# Allegro board 8880F5-0827_txbegin.brd (continued)
## Routing (per net, layer and track width the routed paths; a pad name or vN(x,y) marks a point on that pad's centre or on a via; arc(x,y) is an arc through that point) (continued)
 D302.A12 334.57,66.04 ; D302.A12 335.99,66.04 ; D302.A12 335.28,66.75 ; CSDPS425.C9 254.81,340.36 ; CSDPS425.C9 254,341.17 ; CSDPS425.C9 254,339.55 ; CSDPS425.C9 253.19,340.36 ; 311.61,335.28 D113.A15 ; D113.A15 313.23,335.28 ; D113.A15 312.42,334.47 ; D113.A15 312.42,336.09 ; 11.89,38.1 D128.B1 ; D128.B1 13.51,38.1 ; D128.B1 12.7,38.91 ; D128.B1 12.7,37.29 ; D104.A2 309.88,36.37 ; D104.A2 309.88,34.75 ; D104.A2 309.07,35.56 ; D104.A2 310.69,35.56 ; 252.63,182.35 SITE3.G16 ; SITE3.G16 252.63,183.31 ; SITE3.G16 253.11,182.83 ; SITE3.G16 252.15,182.83 ; 317.5,390.35 D116.B13 ; D116.B13 316.69,391.16 ; D116.B13 317.5,391.97 ; D116.B13 318.31,391.16 ; 329.39,368.3 D115.B8 ; D115.B8 331.01,368.3 ; D115.B8 330.2,367.49 ; D115.B8 330.2,369.11 ; 113.49,35.56 D132.A12 ; D132.A12 114.3,36.37 ; D132.A12 114.3,34.75 ; D132.A12 115.11,35.56 ; 397.97,332.74 D109.A10 ; D109.A10 399.59,332.74 ; D109.A10 398.78,331.93 ; D109.A10 398.78,333.55 ; D306.A14 414.02,66.75 ; D306.A14 413.31,66.04 ; D306.A14 414.73,66.04 ; D306.A14 414.02,65.33 ; 382.73,373.38 D111.A16 ; D111.A16 384.35,373.38 ; D111.A16 383.54,372.57 ; D111.A16 383.54,374.19 ; DPS1.A01 381.81,13.97 ; DPS1.A01 381,13.16 ; DPS1.A01 381,14.78 ; DPS1.A01 380.19,13.97 ; DPS8.C01 200.66,411.02 ; DPS8.C01 199.85,410.21 ; DPS8.C01 200.66,409.4 ; DPS8.C01 201.47,410.21 ; D322.B9 254.71,68.58 ; D322.B9 254,69.29 ; D322.B9 254,67.87 ; D322.B9 253.29,68.58 ; UNK2U1.4 482.59,229.49 ; UNK2U1.4 481.65,228.55 ; UNK2U1.4 482.59,227.61 ; UNK2U1.4 483.53,228.55 ; 172.72,60.15 D119.B6 ; D119.B6 171.91,60.96 ; D119.B6 173.53,60.96 ; D119.B6 172.72,61.77 ; 11.89,58.42 D127.B1 ; D127.B1 13.51,58.42 ; D127.B1 12.7,59.23 ; D127.B1 12.7,57.61 ; D119.B5 170.99,58.42 ; D119.B5 170.18,57.61 ; D119.B5 170.18,59.23 ; D119.B5 169.37,58.42 ; D321.A12 262.33,86.36 ; D321.A12 261.62,87.07 ; D321.A12 260.91,86.36 ; D321.A12 261.62,85.65 ; D109.A12 394.51,332.74 ; D109.A12 393.7,333.55 ; D109.A12 392.89,332.74 ; D109.A12 393.7,331.93 ; 248.21,83.82 D321.A7 ; D321.A7 248.92,84.53 ; D321.A7 248.92,83.11 ; D321.A7 249.63,83.82 ; CSDPS429.B6 188.77,342.9 ; CSDPS429.B6 187.15,342.9 ; CSDPS429.B6 187.96,342.09 ; CSDPS429.B6 187.96,343.71 ; D122.B3 238.76,79.55 ; D122.B3 237.95,78.74 ; D122.B3 239.57,78.74 ; D122.B3 238.76,77.93 ; 414.02,90.73 D305.B14 ; D305.B14 413.31,91.44 ; D305.B14 414.02,92.15 ; D305.B14 414.73,91.44 ; D120.A8 178.61,35.56 ; D120.A8 177.8,34.75 ; D120.A8 177.8,36.37 ; D120.A8 176.99,35.56 ; 418.29,327.66 D109.B2 ; D109.B2 419.1,326.85 ; D109.B2 419.91,327.66 ; D109.B2 419.1,328.47 ; D125.A11 38.1,94.79 ; D125.A11 38.1,93.17 ; D125.A11 37.29,93.98 ; D125.A11 38.91,93.98 ; 420.83,350.52 D110.B1 ; D110.B1 421.64,349.71 ; D110.B1 422.45,350.52 ; D110.B1 421.64,351.33 ; 190.5,72.85 D118.A13 ; D118.A13 189.69,73.66 ; D118.A13 191.31,73.66 ; D118.A13 190.5,74.47 ; D321.A8 252.17,86.36 ; D321.A8 251.46,85.65 ; D321.A8 250.75,86.36 ; D321.A8 251.46,87.07 ; 123.65,81.28 D130.B16 ; D130.B16 124.46,82.09 ; D130.B16 124.46,80.47 ; D130.B16 125.27,81.28 ; D321.B3 238.76,89.61 ; D321.B3 238.05,88.9 ; D321.B3 239.47,88.9 ; D321.B3 238.76,88.19 ; 98.25,81.28 D130.B6 ; D130.B6 99.06,80.47 ; D130.B6 99.87,81.28 ; D130.B6 99.06,82.09 ; 187.15,76.2 D118.A12 ; D118.A12 188.77,76.2 ; D118.A12 187.96,75.39 ; D118.A12 187.96,77.01 ; 403.05,373.38 D111.A8 ; D111.A8 404.67,373.38 ; D111.A8 403.86,374.19 ; D111.A8 403.86,372.57 ; 15.24,95.71 D125.A2 ; D125.A2 15.24,97.33 ; D125.A2 14.43,96.52 ; D125.A2 16.05,96.52 ; SITE2.G3 330.33,241.81 ; SITE2.G3 329.85,241.33 ; SITE2.G3 330.33,240.85 ; SITE2.G3 330.81,241.33 ; 161.75,35.56 D120.A2 ; D120.A2 162.56,34.75 ; D120.A2 163.37,35.56 ; D120.A2 162.56,36.37 ; D322.B7 248.92,69.29 ; D322.B7 248.21,68.58 ; D322.B7 249.63,68.58 ; D322.B7 248.92,67.87 ; 177.8,70.41 D318.B8 ; D318.B8 177.8,71.83 ; D318.B8 178.51,71.12 ; D318.B8 177.09,71.12 ; D107.B13 411.48,59.23 ; D107.B13 412.29,58.42 ; D107.B13 410.67,58.42 ; D107.B13 411.48,57.61 ; 14.43,60.96 D127.B2 ; D127.B2 15.24,60.15 ; D127.B2 16.05,60.96 ; D127.B2 15.24,61.77 ; 108.41,60.96 D131.B10 ; D131.B10 109.22,60.15 ; D131.B10 110.03,60.96 ; D131.B10 109.22,61.77 ; 261.62,342.09 CSDPS425.B6 ; CSDPS425.B6 262.43,342.9 ; CSDPS425.B6 260.81,342.9 ; CSDPS425.B6 261.62,343.71 ; 331.33,187.45 SITE4.G10 ; SITE4.G10 331.81,187.93 ; SITE4.G10 330.85,187.93 ; SITE4.G10 331.33,188.41 ; 413.21,368.3 D111.B4 ; D111.B4 414.02,369.11 ; D111.B4 414.83,368.3 ; D111.B4 414.02,367.49 ; DPS3.C05 244.65,19.05 ; DPS3.C05 243.84,19.86 ; DPS3.C05 243.03,19.05 ; DPS3.C05 243.84,18.24 ; D107.A7 397.05,53.34 ; D107.A7 396.24,54.15 ; D107.A7 395.43,53.34 ; D107.A7 396.24,52.53 ; D103.B5 317.5,59.23 ; D103.B5 318.31,58.42 ; D103.B5 317.5,57.61 ; D103.B5 316.69,58.42 ; D305.B15 416.56,89.61 ; D305.B15 417.27,88.9 ; D305.B15 415.85,88.9 ; D305.B15 416.56,88.19 ; D321.B14 266.7,92.15 ; D321.B14 265.99,91.44 ; D321.B14 266.7,90.73 ; D321.B14 267.41,91.44 ; 403.05,368.3 D111.B8 ; D111.B8 404.67,368.3 ; D111.B8 403.86,367.49 ; D111.B8 403.86,369.11 ; D119.B4 168.45,60.96 ; D119.B4 166.83,60.96 ; D119.B4 167.64,60.15 ; D119.B4 167.64,61.77 ; D115.A7 333.55,375.92 ; D115.A7 332.74,375.11 ; D115.A7 331.93,375.92 ; D115.A7 332.74,376.73 ; D102.A3 313.23,73.66 ; D102.A3 312.42,72.85 ; D102.A3 312.42,74.47 ; D102.A3 311.61,73.66 ; 171.91,76.2 D118.A6 ; D118.A6 172.72,77.01 ; D118.A6 172.72,75.39 ; D118.A6 173.53,76.2 ; D125.B5 22.86,99.87 ; D125.B5 22.05,99.06 ; D125.B5 22.86,98.25 ; D125.B5 23.67,99.06 ; 414.02,75.39 D106.A14 ; D106.A14 414.83,76.2 ; D106.A14 414.02,77.01 ; D106.A14 413.21,76.2 ; SITE2.G2 329.81,241.33 ; SITE2.G2 328.85,241.33 ; SITE2.G2 329.33,241.81 ; SITE2.G2 329.33,240.85 ; D110.B9 401.32,351.33 ; D110.B9 401.32,349.71 ; D110.B9 402.13,350.52 ; D110.B9 400.51,350.52 ; DPS3.A11 259.89,13.97 ; DPS3.A11 259.08,13.16 ; DPS3.A11 258.27,13.97 ; DPS3.A11 259.08,14.78 ; 85.55,78.74 D130.B1 ; D130.B1 86.36,77.93 ; D130.B1 87.17,78.74 ; D130.B1 86.36,79.55 ; 411.48,67.87 D306.B13 ; D306.B13 411.48,69.29 ; D306.B13 410.77,68.58 ; D306.B13 412.19,68.58 ; 330.2,392.89 D116.A8 ; D116.A8 330.2,394.51 ; D116.A8 331.01,393.7 ; D116.A8 329.39,393.7 ; D116.A12 320.85,393.7 ; D116.A12 320.04,392.89 ; D116.A12 320.04,394.51 ; D116.A12 319.23,393.7 ; 339.65,66.04 D302.A14 ; D302.A14 341.07,66.04 ; D302.A14 340.36,66.75 ; D302.A14 340.36,65.33 ; SITE3.G18 250.23,186.91 ; SITE3.G18 250.23,185.95 ; SITE3.G18 250.71,186.43 ; SITE3.G18 249.75,186.43 ; 251.33,247.45 SITE1.G10 ; SITE1.G10 251.81,247.93 ; SITE1.G10 251.33,248.41 ; SITE1.G10 250.85,247.93 ; 410.77,63.5 D306.A13 ; D306.A13 411.48,64.21 ; D306.A13 412.19,63.5 ; D306.A13 411.48,62.79 ; 420.83,396.24 D112.A1 ; D112.A1 421.64,395.43 ; D112.A1 421.64,397.05 ; D112.A1 422.45,396.24 ; D120.B16 198.12,41.45 ; D120.B16 198.12,39.83 ; D120.B16 197.31,40.64 ; D120.B16 198.93,40.64 ; D102.A8 325.12,77.01 ; D102.A8 324.31,76.2 ; D102.A8 325.93,76.2 ; D102.A8 325.12,75.39 ; D318.B3 165.1,69.29 ; D318.B3 165.81,68.58 ; D318.B3 165.1,67.87 ; D318.B3 164.39,68.58 ; 380.19,73.66 D106.A1 ; D106.A1 381,72.85 ; D106.A1 381,74.47 ; D106.A1 381.81,73.66 ; DPS3.A01 233.68,14.78 ; DPS3.A01 233.68,13.16 ; DPS3.A01 234.49,13.97 ; DPS3.A01 232.87,13.97 ; D103.A14 340.36,56.69 ; D103.A14 339.55,55.88 ; D103.A14 340.36,55.07 ; D103.A14 341.17,55.88 ; 160.02,380.19 D431.B17 ; D431.B17 159.21,381 ; D431.B17 160.83,381 ; D431.B17 160.02,381.81 ; 415.75,53.34 D107.A15 ; D107.A15 416.56,54.15 ; D107.A15 417.37,53.34 ; D107.A15 416.56,52.53 ; 324.31,368.3 D115.B10 ; D115.B10 325.12,367.49 ; D115.B10 325.12,369.11 ; D115.B10 325.93,368.3 ; 328.33,187.45 SITE4.G7 ; SITE4.G7 327.85,187.93 ; SITE4.G7 328.81,187.93 ; SITE4.G7 328.33,188.41 ; 110.95,73.66 D130.A11 ; D130.A11 111.76,74.47 ; D130.A11 112.57,73.66 ; D130.A11 111.76,72.85 ; D301.A2 309.88,87.07 ; D301.A2 309.88,85.65 ; D301.A2 309.17,86.36 ; D301.A2 310.59,86.36 ; D128.A12 40.64,36.37 ; D128.A12 40.64,34.75 ; D128.A12 39.83,35.56 ; D128.A12 41.45,35.56 ; CSDPS229.C3 196.39,330.2 ; CSDPS229.C3 195.58,329.39 ; CSDPS229.C3 195.58,331.01 ; CSDPS229.C3 194.77,330.2 ; D129.B7 101.6,99.87 ; D129.B7 100.79,99.06 ; D129.B7 102.41,99.06 ; D129.B7 101.6,98.25 ; 345.44,65.33 D302.A16 ; D302.A16 345.44,66.75 ; D302.A16 346.15,66.04 ; D302.A16 344.73,66.04 ; 311.61,355.6 D114.A15 ; D114.A15 312.42,356.41 ; D114.A15 313.23,355.6 ; D114.A15 312.42,354.79 ; 335.28,80.47 D102.B12 ; D102.B12 336.09,81.28 ; D102.B12 334.47,81.28 ; D102.B12 335.28,82.09 ; D306.B16 419.1,71.83 ; D306.B16 419.81,71.12 ; D306.B16 418.39,71.12 ; D306.B16 419.1,70.41 ; D127.B6 25.4,61.77 ; D127.B6 24.59,60.96 ; D127.B6 25.4,60.15 ; D127.B6 26.21,60.96 ; D104.A9 328.47,33.02 ; D104.A9 327.66,33.83 ; D104.A9 327.66,32.21 ; D104.A9 326.85,33.02 ; D305.B6 394.41,91.44 ; D305.B6 392.99,91.44 ; D305.B6 393.7,90.73 ; D305.B6 393.7,92.15 ; 311.61,78.74 D102.B3 ; D102.B3 312.42,79.55 ; D102.B3 312.42,77.93 ; D102.B3 313.23,78.74 ; 27.94,52.53 D127.A7 ; D127.A7 27.13,53.34 ; D127.A7 28.75,53.34 ; D127.A7 27.94,54.15 ; D128.A11 38.91,33.02 ; D128.A11 37.29,33.02 ; D128.A11 38.1,32.21 ; D128.A11 38.1,33.83 ; D302.A6 320.75,66.04 ; D302.A6 319.33,66.04 ; D302.A6 320.04,66.75 ; D302.A6 320.04,65.33 ; D306.A4 388.62,66.75 ; D306.A4 389.33,66.04 ; D306.A4 388.62,65.33 ; D306.A4 387.91,66.04 ; D129.B2 88.9,102.41 ; D129.B2 89.71,101.6 ; D129.B2 88.9,100.79 ; D129.B2 88.09,101.6 ; 39.83,81.28 D126.B12 ; D126.B12 40.64,80.47 ; D126.B12 41.45,81.28 ; D126.B12 40.64,82.09 ; 406.4,395.43 D112.A7 ; D112.A7 406.4,397.05 ; D112.A7 405.59,396.24 ; D112.A7 407.21,396.24 ; 401.32,354.79 D110.A9 ; D110.A9 401.32,356.41 ; D110.A9 402.13,355.6 ; D110.A9 400.51,355.6 ; D130.A16 124.46,77.01 ; D130.A16 123.65,76.2 ; D130.A16 124.46,75.39 ; D130.A16 125.27,76.2 ; 172.01,91.44 D317.B6 ; D317.B6 173.43,91.44 ; D317.B6 172.72,92.15 ; D317.B6 172.72,90.73 ; 398.78,352.25 D110.A10 ; D110.A10 399.59,353.06 ; D110.A10 398.78,353.87 ; D110.A10 397.97,353.06 ; D317.B12 188.67,91.44 ; D317.B12 187.96,90.73 ; D317.B12 187.96,92.15 ; D317.B12 187.25,91.44 ; D108.B1 381,38.91 ; D108.B1 381.81,38.1 ; D108.B1 380.19,38.1 ; D108.B1 381,37.29 ; 413.31,71.12 D306.B14 ; D306.B14 414.02,70.41 ; D306.B14 414.02,71.83 ; D306.B14 414.73,71.12 ; 252.33,240.85 SITE1.G5 ; SITE1.G5 251.85,241.33 ; SITE1.G5 252.33,241.81 ; SITE1.G5 252.81,241.33 ; D321.B9 254,89.61 ; D321.B9 253.29,88.9 ; D321.B9 254,88.19 ; D321.B9 254.71,88.9 ; 314.96,60.15 D103.B4 ; D103.B4 314.15,60.96 ; D103.B4 315.77,60.96 ; D103.B4 314.96,61.77 ; 124.46,34.75 D132.A16 ; D132.A16 124.46,36.37 ; D132.A16 125.27,35.56 ; D132.A16 123.65,35.56 ; D317.A13 190.5,84.53 ; D317.A13 190.5,83.11 ; D317.A13 189.79,83.82 ; D317.A13 191.21,83.82 ; 410.67,355.6 D110.A5 ; D110.A5 411.48,354.79 ; D110.A5 411.48,356.41 ; D110.A5 412.29,355.6 ; 165.1,370.03 D231.B15 ; D231.B15 165.91,370.84 ; D231.B15 164.29,370.84 ; D231.B15 165.1,371.65 ; 382.83,91.44 D305.B2 ; D305.B2 383.54,92.15 ; D305.B2 383.54,90.73 ; D305.B2 384.25,91.44 ; 342.09,78.74 D102.B15 ; D102.B15 342.9,79.55 ; D102.B15 343.71,78.74 ; D102.B15 342.9,77.93 ; 380.19,53.34 D107.A1 ; D107.A1 381.81,53.34 ; D107.A1 381,54.15 ; D107.A1 381,52.53 ; D322.A12 262.33,66.04 ; D322.A12 260.91,66.04 ; D322.A12 261.62,65.33 ; D322.A12 261.62,66.75 ; 40.64,39.83 D128.B12 ; D128.B12 40.64,41.45 ; D128.B12 41.45,40.64 ; D128.B12 39.83,40.64 ; D102.A13 337.82,74.47 ; D102.A13 337.01,73.66 ; D102.A13 338.63,73.66 ; D102.A13 337.82,72.85 ; CSDPS429.C11 176.07,340.36 ; CSDPS429.C11 175.26,339.55 ; CSDPS429.C11 174.45,340.36 ; CSDPS429.C11 175.26,341.17 ; D322.A3 238.76,64.21 ; D322.A3 239.47,63.5 ; D322.A3 238.05,63.5 ; D322.A3 238.76,62.79 ; D110.A15 386.89,355.6 ; D110.A15 386.08,354.79 ; D110.A15 385.27,355.6 ; D110.A15 386.08,356.41 ; D106.A5 391.16,74.47 ; D106.A5 391.16,72.85 ; D106.A5 391.97,73.66 ; D106.A5 390.35,73.66 ; 337.01,38.1 D104.B13 ; D104.B13 337.82,38.91 ; D104.B13 338.63,38.1 ; D104.B13 337.82,37.29 ; D109.B16 383.54,328.47 ; D109.B16 384.35,327.66 ; D109.B16 382.73,327.66 ; D109.B16 383.54,326.85 ; 179.53,370.84 D231.B9 ; D231.B9 180.34,371.65 ; D231.B9 180.34,370.03 ; D231.B9 181.15,370.84 ; 246.38,60.15 D123.B6 ; D123.B6 246.38,61.77 ; D123.B6 245.57,60.96 ; D123.B6 247.19,60.96 ; D322.A16 272.49,66.04 ; D322.A16 271.07,66.04 ; D322.A16 271.78,66.75 ; D322.A16 271.78,65.33 ; 269.24,62.79 D322.A15 ; D322.A15 269.95,63.5 ; D322.A15 268.53,63.5 ; D322.A15 269.24,64.21 ; D132.B10 109.22,41.45 ; D132.B10 108.41,40.64 ; D132.B10 110.03,40.64 ; D132.B10 109.22,39.83 ; D125.A16 51.61,96.52 ; D125.A16 49.99,96.52 ; D125.A16 50.8,95.71 ; D125.A16 50.8,97.33 ; 416.56,375.11 D111.A3 ; D111.A3 416.56,376.73 ; D111.A3 417.37,375.92 ; D111.A3 415.75,375.92 ; SITE2.G8 329.81,247.93 ; SITE2.G8 329.33,248.41 ; SITE2.G8 328.85,247.93 ; SITE2.G8 329.33,247.45 ; D302.A2 310.59,66.04 ; D302.A2 309.88,65.33 ; D302.A2 309.17,66.04 ; D302.A2 309.88,66.75 ; D106.A16 419.91,76.2 ; D106.A16 419.1,75.39 ; D106.A16 418.29,76.2 ; D106.A16 419.1,77.01 ; 233.68,62.79 D322.A1 ; D322.A1 234.39,63.5 ; D322.A1 233.68,64.21 ; D322.A1 232.97,63.5 ; 330.23,242.35 SITE2.G14 ; SITE2.G14 330.23,243.31 ; SITE2.G14 330.71,242.83 ; SITE2.G14 329.75,242.83 ; 121.11,78.74 D130.B15 ; D130.B15 122.73,78.74 ; D130.B15 121.92,79.55 ; D130.B15 121.92,77.93 ; D131.A4 94.79,55.88 ; D131.A4 93.98,56.69 ; D131.A4 93.98,55.07 ; D131.A4 93.17,55.88 ; D321.A2 236.93,86.36 ; D321.A2 236.22,85.65 ; D321.A2 236.22,87.07 ; D321.A2 235.51,86.36 ; 380.19,58.42 D107.B1 ; D107.B1 381,57.61 ; D107.B1 381.81,58.42 ; D107.B1 381,59.23 ; 187.25,71.12 D318.B12 ; D318.B12 187.96,70.41 ; D318.B12 187.96,71.83 ; D318.B12 188.67,71.12 ; 241.3,60.15 D123.B4 ; D123.B4 241.3,61.77 ; D123.B4 242.11,60.96 ; D123.B4 240.49,60.96 ; D112.B14 388.62,389.43 ; D112.B14 387.81,388.62 ; D112.B14 389.43,388.62 ; D112.B14 388.62,387.81 ; 14.43,35.56 D128.A2 ; D128.A2 15.24,34.75 ; D128.A2 15.24,36.37 ; D128.A2 16.05,35.56 ; SITE4.G9 330.81,187.93 ; SITE4.G9 329.85,187.93 ; SITE4.G9 330.33,187.45 ; SITE4.G9 330.33,188.41 ; 116.03,93.98 D129.A13 ; D129.A13 117.65,93.98 ; D129.A13 116.84,93.17 ; D129.A13 116.84,94.79 ; D123.B1 234.49,58.42 ; D123.B1 233.68,57.61 ; D123.B1 233.68,59.23 ; D123.B1 232.87,58.42 ; D114.A14 315.77,353.06 ; D114.A14 314.96,353.87 ; D114.A14 314.15,353.06 ; D114.A14 314.96,352.25 ; D124.A3 238.76,33.83 ; D124.A3 237.95,33.02 ; D124.A3 238.76,32.21 ; D124.A3 239.57,33.02 ; 190.5,57.61 D119.B13 ; D119.B13 191.31,58.42 ; D119.B13 189.69,58.42 ; D119.B13 190.5,59.23 ; DPS3.C11 259.89,19.05 ; DPS3.C11 259.08,19.86 ; DPS3.C11 258.27,19.05 ; DPS3.C11 259.08,18.24 ; D128.A4 21.13,35.56 ; D128.A4 20.32,34.75 ; D128.A4 19.51,35.56 ; D128.A4 20.32,36.37 ; D116.B10 325.12,389.43 ; D116.B10 325.12,387.81 ; D116.B10 324.31,388.62 ; D116.B10 325.93,388.62 ; 504.01,203.45 S2_I2C.4 ; S2_I2C.4 504.95,204.39 ; S2_I2C.4 505.89,203.45 ; S2_I2C.4 504.95,202.51 ; 170.18,72.85 D118.A5 ; D118.A5 170.99,73.66 ; D118.A5 170.18,74.47 ; D118.A5 169.37,73.66 ; D301.A14 340.36,87.07 ; D301.A14 339.65,86.36 ; D301.A14 340.36,85.65 ; D301.A14 341.07,86.36 ; 43.18,52.53 D127.A13 ; D127.A13 43.99,53.34 ; D127.A13 43.18,54.15 ; D127.A13 42.37,53.34 ; 388.62,90.73 D305.B4 ; D305.B4 389.33,91.44 ; D305.B4 387.91,91.44 ; D305.B4 388.62,92.15 ; 114.3,95.71 D129.A12 ; D129.A12 113.49,96.52 ; D129.A12 114.3,97.33 ; D129.A12 115.11,96.52 ; D109.B3 416.56,331.01 ; D109.B3 415.75,330.2 ; D109.B3 417.37,330.2 ; D109.B3 416.56,329.39 ; D322.B13 264.87,68.58 ; D322.B13 263.45,68.58 ; D322.B13 264.16,69.29 ; D322.B13 264.16,67.87 ; 30.48,95.71 D125.A8 ; D125.A8 30.48,97.33 ; D125.A8 29.67,96.52 ; D125.A8 31.29,96.52 ; 248.85,181.33 SITE3.G2 ; SITE3.G2 249.81,181.33 ; SITE3.G2 249.33,181.81 ; SITE3.G2 249.33,180.85 ; D104.B9 328.47,38.1 ; D104.B9 326.85,38.1 ; D104.B9 327.66,38.91 ; D104.B9 327.66,37.29 ; D116.A5 337.82,397.05 ; D116.A5 337.01,396.24 ; D116.A5 337.82,395.43 ; D116.A5 338.63,396.24 ; D127.A1 13.51,53.34 ; D127.A1 12.7,52.53 ; D127.A1 11.89,53.34 ; D127.A1 12.7,54.15 ; D112.A8 403.86,394.51 ; D112.A8 404.67,393.7 ; D112.A8 403.86,392.89 ; D112.A8 403.05,393.7 ; 330.2,347.17 D114.B8 ; D114.B8 331.01,347.98 ; D114.B8 329.39,347.98 ; D114.B8 330.2,348.79 ; D106.B1 381.81,78.74 ; D106.B1 380.19,78.74 ; D106.B1 381,79.55 ; D106.B1 381,77.93 ; D112.B6 408.94,389.43 ; D112.B6 408.94,387.81 ; D112.B6 408.13,388.62 ; D112.B6 409.75,388.62 ; D132.A14 119.38,36.37 ; D132.A14 118.57,35.56 ; D132.A14 119.38,34.75 ; D132.A14 120.19,35.56 ; 329.39,60.96 D103.B10 ; D103.B10 330.2,60.15 ; D103.B10 330.2,61.77 ; D103.B10 331.01,60.96 ; D318.B2 163.27,71.12 ; D318.B2 161.85,71.12 ; D318.B2 162.56,71.83 ; D318.B2 162.56,70.41 ; D124.B10 256.54,41.45 ; D124.B10 255.73,40.64 ; D124.B10 257.35,40.64 ; D124.B10 256.54,39.83 ; 88.09,96.52 D129.A2 ; D129.A2 88.9,95.71 ; D129.A2 88.9,97.33 ; D129.A2 89.71,96.52 ; 387.81,393.7 D112.A14 ; D112.A14 388.62,392.89 ; D112.A14 389.43,393.7 ; D112.A14 388.62,394.51 ; D116.A11 322.58,397.05 ; D116.A11 321.77,396.24 ; D116.A11 322.58,395.43 ; D116.A11 323.39,396.24 ; D120.B3 165.1,38.91 ; D120.B3 165.1,37.29 ; D120.B3 164.29,38.1 ; D120.B3 165.91,38.1 ; D302.B4 315.67,71.12 ; D302.B4 314.96,71.83 ; D302.B4 314.25,71.12 ; D302.B4 314.96,70.41 ; CSDPS229.B12 172.72,333.55 ; CSDPS229.B12 171.91,332.74 ; CSDPS229.B12 173.53,332.74 ; CSDPS229.B12 172.72,331.93 ; D131.B5 96.52,59.23 ; D131.B5 95.71,58.42 ; D131.B5 96.52,57.61 ; D131.B5 97.33,58.42 ; 327.66,57.61 D103.B9 ; D103.B9 326.85,58.42 ; D103.B9 328.47,58.42 ; D103.B9 327.66,59.23 ; 401.32,370.03 D111.B9 ; D111.B9 401.32,371.65 ; D111.B9 402.13,370.84 ; D111.B9 400.51,370.84 ; D318.B9 180.34,69.29 ; D318.B9 180.34,67.87 ; D318.B9 181.05,68.58 ; D318.B9 179.63,68.58 ; D317.B16 198.83,91.44 ; D317.B16 198.12,92.15 ; D317.B16 197.41,91.44 ; D317.B16 198.12,90.73 ; D317.B7 175.97,88.9 ; D317.B7 174.55,88.9 ; D317.B7 175.26,88.19 ; D317.B7 175.26,89.61 ; D120.A1 160.83,33.02 ; D120.A1 160.02,32.21 ; D120.A1 160.02,33.83 ; D120.A1 159.21,33.02 ; CSDPS225.C3 270.05,330.2 ; CSDPS225.C3 269.24,331.01 ; CSDPS225.C3 269.24,329.39 ; CSDPS225.C3 268.43,330.2 ; 391.16,395.43 D112.A13 ; D112.A13 391.97,396.24 ; D112.A13 391.16,397.05 ; D112.A13 390.35,396.24 ; D110.B12 394.51,347.98 ; D110.B12 393.7,348.79 ; D110.B12 392.89,347.98 ; D110.B12 393.7,347.17 ; D126.B6 25.4,82.09 ; D126.B6 25.4,80.47 ; D126.B6 26.21,81.28 ; D126.B6 24.59,81.28 ; D108.A6 394.51,35.56 ; D108.A6 393.7,36.37 ; D108.A6 392.89,35.56 ; D108.A6 393.7,34.75 ; SITE3.G1 248.33,181.81 ; SITE3.G1 248.81,181.33 ; SITE3.G1 248.33,180.85 ; SITE3.G1 247.85,181.33 ; 329.39,40.64 D104.B10 ; D104.B10 330.2,41.45 ; D104.B10 330.2,39.83 ; D104.B10 331.01,40.64 ; 273.51,340.36 CSDPS425.C1 ; CSDPS425.C1 275.13,340.36 ; CSDPS425.C1 274.32,341.17 ; CSDPS425.C1 274.32,339.55 ; 309.88,39.83 D104.B2 ; D104.B2 309.88,41.45 ; D104.B2 309.07,40.64 ; D104.B2 310.69,40.64 ; 104.14,34.75 D132.A8 ; D132.A8 104.14,36.37 ; D132.A8 104.95,35.56 ; D132.A8 103.33,35.56 ; D120.A10 183.69,35.56 ; D120.A10 182.88,36.37 ; D120.A10 182.07,35.56 ; D120.A10 182.88,34.75 ; 347.98,370.03 D115.B1 ; D115.B1 347.98,371.65 ; D115.B1 348.79,370.84 ; D115.B1 347.17,370.84 ; 321.77,73.66 D102.A7 ; D102.A7 323.39,73.66 ; D102.A7 322.58,72.85 ; D102.A7 322.58,74.47 ; 164.29,73.66 D118.A3 ; D118.A3 165.91,73.66 ; D118.A3 165.1,72.85 ; D118.A3 165.1,74.47 ; 337.01,78.74 D102.B13 ; D102.B13 338.63,78.74 ; D102.B13 337.82,79.55 ; D102.B13 337.82,77.93 ; D132.B6 99.87,40.64 ; D132.B6 99.06,41.45 ; D132.B6 99.06,39.83 ; D132.B6 98.25,40.64 ; 419.1,34.75 D108.A16 ; D108.A16 419.1,36.37 ; D108.A16 419.91,35.56 ; D108.A16 418.29,35.56 ; D114.A4 340.36,353.87 ; D114.A4 339.55,353.06 ; D114.A4 341.17,353.06 ; D114.A4 340.36,352.25 ; 314.25,86.36 D301.A4 ; D301.A4 314.96,85.65 ; D301.A4 314.96,87.07 ; D301.A4 315.67,86.36 ; 254,57.61 D123.B9 ; D123.B9 253.19,58.42 ; D123.B9 254,59.23 ; D123.B9 254.81,58.42 ; 169.37,370.84 D231.B13 ; D231.B13 170.18,371.65 ; D231.B13 170.99,370.84 ; D231.B13 170.18,370.03 ; D113.A13 317.5,336.09 ; D113.A13 318.31,335.28 ; D113.A13 317.5,334.47 ; D113.A13 316.69,335.28 ; D127.B4 20.32,61.77 ; D127.B4 20.32,60.15 ; D127.B4 21.13,60.96 ; D127.B4 19.51,60.96 ; 241.3,85.65 D321.A4 ; D321.A4 242.01,86.36 ; D321.A4 240.59,86.36 ; D321.A4 241.3,87.07 ; 238.05,68.58 D322.B3 ; D322.B3 238.76,69.29 ; D322.B3 239.47,68.58 ; D322.B3 238.76,67.87 ; SITE3.G8 249.33,188.41 ; SITE3.G8 248.85,187.93 ; SITE3.G8 249.81,187.93 ; SITE3.G8 249.33,187.45 ; 390.35,355.6 D110.A13 ; D110.A13 391.16,354.79 ; D110.A13 391.97,355.6 ; D110.A13 391.16,356.41 ; 83.31,208.1 S3_I2C.4 ; S3_I2C.4 83.31,209.98 ; S3_I2C.4 84.25,209.04 ; S3_I2C.4 82.37,209.04 ; D317.A10 183.59,86.36 ; D317.A10 182.17,86.36 ; D317.A10 182.88,87.07 ; D317.A10 182.88,85.65 ; 167.64,85.65 D317.A4 ; D317.A4 168.35,86.36 ; D317.A4 167.64,87.07 ; D317.A4 166.93,86.36 ; D124.B9 254,38.91 ; D124.B9 254.81,38.1 ; D124.B9 254,37.29 ; D124.B9 253.19,38.1 ; 93.98,95.71 D129.A4 ; D129.A4 93.17,96.52 ; D129.A4 93.98,97.33 ; D129.A4 94.79,96.52 ; CSDPS229.C1 201.47,330.2 ; CSDPS229.C1 200.66,329.39 ; CSDPS229.C1 200.66,331.01 ; CSDPS229.C1 199.85,330.2 ; D129.A7 101.6,94.79 ; D129.A7 102.41,93.98 ; D129.A7 101.6,93.17 ; D129.A7 100.79,93.98 ; D122.A7 248.92,74.47 ; D122.A7 248.11,73.66 ; D122.A7 249.73,73.66 ; D122.A7 248.92,72.85 ; D119.A9 181.15,53.34 ; D119.A9 180.34,52.53 ; D119.A9 180.34,54.15 ; D119.A9 179.53,53.34 ; D306.B2 384.25,71.12 ; D306.B2 383.54,71.83 ; D306.B2 383.54,70.41 ; D306.B2 382.83,71.12 ; D317.A3 165.1,84.53 ; D317.A3 165.1,83.11 ; D317.A3 165.81,83.82 ; D317.A3 164.39,83.82 ; D305.A14 414.02,87.07 ; D305.A14 414.73,86.36 ; D305.A14 413.31,86.36 ; D305.A14 414.02,85.65 ; 116.84,32.21 D132.A13 ; D132.A13 116.03,33.02 ; D132.A13 116.84,33.83 ; D132.A13 117.65,33.02 ; 406.4,329.39 D109.B7 ; D109.B7 406.4,331.01 ; D109.B7 405.59,330.2 ; D109.B7 407.21,330.2 ; D104.B16 346.25,40.64 ; D104.B16 345.44,41.45 ; D104.B16 344.63,40.64 ; D104.B16 345.44,39.83 ; 174.45,58.42 D119.B7 ; D119.B7 176.07,58.42 ; D119.B7 175.26,59.23 ; D119.B7 175.26,57.61 ; CSDPS425.B14 242.11,342.9 ; CSDPS425.B14 241.3,342.09 ; CSDPS425.B14 240.49,342.9 ; CSDPS425.B14 241.3,343.71 ; 325.12,80.47 D102.B8 ; D102.B8 324.31,81.28 ; D102.B8 325.93,81.28 ; D102.B8 325.12,82.09 ; D116.A14 315.77,393.7 ; D116.A14 314.15,393.7 ; D116.A14 314.96,394.51 ; D116.A14 314.96,392.89 ; D116.A10 325.12,394.51 ; D116.A10 325.93,393.7 ; D116.A10 325.12,392.89 ; D116.A10 324.31,393.7 ; 331.93,355.6 D114.A7 ; D114.A7 333.55,355.6 ; D114.A7 332.74,354.79 ; D114.A7 332.74,356.41 ; D131.B8 104.14,61.77 ; D131.B8 104.95,60.96 ; D131.B8 104.14,60.15 ; D131.B8 103.33,60.96 ; 266.7,55.07 D123.A14 ; D123.A14 266.7,56.69 ; D123.A14 265.89,55.88 ; D123.A14 267.51,55.88 ; 339.55,40.64 D104.B14 ; D104.B14 340.36,41.45 ; D104.B14 341.17,40.64 ; D104.B14 340.36,39.83 ; 39.83,55.88 D127.A12 ; D127.A12 41.45,55.88 ; D127.A12 40.64,56.69 ; D127.A12 40.64,55.07 ; DPS8.C15 165.1,411.02 ; DPS8.C15 164.29,410.21 ; DPS8.C15 165.1,409.4 ; DPS8.C15 165.91,410.21 ; 246.38,80.47 D122.B6 ; D122.B6 245.57,81.28 ; D122.B6 247.19,81.28 ; D122.B6 246.38,82.09 ; 258.37,63.5 D322.A11 ; D322.A11 259.79,63.5 ; D322.A11 259.08,62.79 ; D322.A11 259.08,64.21 ; D318.A7 175.97,63.5 ; D318.A7 175.26,62.79 ; D318.A7 174.55,63.5 ; D318.A7 175.26,64.21 ; 269.24,52.53 D123.A15 ; D123.A15 268.43,53.34 ; D123.A15 270.05,53.34 ; D123.A15 269.24,54.15 ; 416.56,57.61 D107.B15 ; D107.B15 415.75,58.42 ; D107.B15 417.37,58.42 ; D107.B15 416.56,59.23 ; D114.B2 345.44,348.79 ; D114.B2 344.63,347.98 ; D114.B2 346.25,347.98 ; D114.B2 345.44,347.17 ; 17.78,37.29 D128.B3 ; D128.B3 17.78,38.91 ; D128.B3 18.59,38.1 ; D128.B3 16.97,38.1 ; D102.A9 328.47,73.66 ; D102.A9 327.66,72.85 ; D102.A9 326.85,73.66 ; D102.A9 327.66,74.47 ; D107.B11 407.21,58.42 ; D107.B11 405.59,58.42 ; D107.B11 406.4,57.61 ; D107.B11 406.4,59.23 ; 314.15,368.3 D115.B14 ; D115.B14 314.96,369.11 ; D115.B14 314.96,367.49 ; D115.B14 315.77,368.3 ; 50.8,60.15 D127.B16 ; D127.B16 51.61,60.96 ; D127.B16 50.8,61.77 ; D127.B16 49.99,60.96 ; 37.29,38.1 D128.B11 ; D128.B11 38.91,38.1 ; D128.B11 38.1,37.29 ; D128.B11 38.1,38.91 ; 27.13,99.06 D125.B7 ; D125.B7 27.94,99.87 ; D125.B7 28.75,99.06 ; D125.B7 27.94,98.25 ; 95.71,99.06 D129.B5 ; D129.B5 96.52,98.25 ; D129.B5 96.52,99.87 ; D129.B5 97.33,99.06 ; 411.48,334.47 D109.A5 ; D109.A5 410.67,335.28 ; D109.A5 411.48,336.09 ; D109.A5 412.29,335.28 ; D130.B3 92.25,78.74 ; D130.B3 90.63,78.74 ; D130.B3 91.44,77.93 ; D130.B3 91.44,79.55 ; 406.4,375.11 D111.A7 ; D111.A7 405.59,375.92 ; D111.A7 406.4,376.73 ; D111.A7 407.21,375.92 ; D127.B12 41.45,60.96 ; D127.B12 39.83,60.96 ; D127.B12 40.64,60.15 ; D127.B12 40.64,61.77 ; D120.A15 196.39,33.02 ; D120.A15 195.58,32.21 ; D120.A15 194.77,33.02 ; D120.A15 195.58,33.83 ; 175.26,67.87 D318.B7 ; D318.B7 174.55,68.58 ; D318.B7 175.26,69.29 ; D318.B7 175.97,68.58 ; D126.B3 17.78,79.55 ; D126.B3 18.59,78.74 ; D126.B3 16.97,78.74 ; D126.B3 17.78,77.93 ; 86.36,98.25 D129.B1 ; D129.B1 86.36,99.87 ; D129.B1 87.17,99.06 ; D129.B1 85.55,99.06 ; D110.B13 391.16,351.33 ; D110.B13 391.16,349.71 ; D110.B13 390.35,350.52 ; D110.B13 391.97,350.52 ; 314.15,35.56 D104.A4 ; D104.A4 314.96,34.75 ; D104.A4 314.96,36.37 ; D104.A4 315.77,35.56 ; 344.63,353.06 D114.A2 ; D114.A2 345.44,352.25 ; D114.A2 346.25,353.06 ; D114.A2 345.44,353.87 ; D116.B5 337.82,391.97 ; D116.B5 337.01,391.16 ; D116.B5 338.63,391.16 ; D116.B5 337.82,390.35 ; D126.A6 25.4,77.01 ; D126.A6 26.21,76.2 ; D126.A6 25.4,75.39 ; D126.A6 24.59,76.2 ; 395.43,335.28 D109.A11 ; D109.A11 396.24,334.47 ; D109.A11 396.24,336.09 ; D109.A11 397.05,335.28 ; S1_I2C.4 70.61,209.98 ; S1_I2C.4 70.61,208.1 ; S1_I2C.4 69.67,209.04 ; S1_I2C.4 71.55,209.04 ; CSDPS429.C1 200.66,341.17 ; CSDPS429.C1 200.66,339.55 ; CSDPS429.C1 201.47,340.36 ; CSDPS429.C1 199.85,340.36 ; 385.37,88.9 D305.B3 ; D305.B3 386.08,88.19 ; D305.B3 386.79,88.9 ; D305.B3 386.08,89.61 ; 324.41,91.44 D301.B8 ; D301.B8 325.12,92.15 ; D301.B8 325.12,90.73 ; D301.B8 325.83,91.44 ; D119.B1 160.02,59.23 ; D119.B1 159.21,58.42 ; D119.B1 160.83,58.42 ; D119.B1 160.02,57.61 ; D108.B16 419.1,41.45 ; D108.B16 419.1,39.83 ; D108.B16 418.29,40.64 ; D108.B16 419.91,40.64 ; D130.A15 121.92,74.47 ; D130.A15 121.11,73.66 ; D130.A15 122.73,73.66 ; D130.A15 121.92,72.85 ; D120.B14 193.85,40.64 ; D120.B14 193.04,39.83 ; D120.B14 192.23,40.64 ; D120.B14 193.04,41.45 ; 401.32,67.87 D306.B9 ; D306.B9 401.32,69.29 ; D306.B9 400.61,68.58 ; D306.B9 402.03,68.58 ; D110.B15 386.89,350.52 ; D110.B15 385.27,350.52 ; D110.B15 386.08,351.33 ; D110.B15 386.08,349.71 ; D318.A3 165.81,63.5 ; D318.A3 165.1,62.79 ; D318.A3 164.39,63.5 ; D318.A3 165.1,64.21 ; 416.56,18.24 DPS1.C15 ; DPS1.C15 415.75,19.05 ; DPS1.C15 417.37,19.05 ; DPS1.C15 416.56,19.86 ; 29.67,40.64 D128.B8 ; D128.B8 30.48,41.45 ; D128.B8 31.29,40.64 ; D128.B8 30.48,39.83 ; 330.2,75.39 D102.A10 ; D102.A10 329.39,76.2 ; D102.A10 331.01,76.2 ; D102.A10 330.2,77.01 ; 345.44,34.75 D104.A16 ; D104.A16 344.63,35.56 ; D104.A16 345.44,36.37 ; D104.A16 346.25,35.56 ; D110.B10 398.78,348.79 ; D110.B10 399.59,347.98 ; D110.B10 398.78,347.17 ; D110.B10 397.97,347.98 ; 309.88,367.49 D115.B16 ; D115.B16 309.88,369.11 ; D115.B16 309.07,368.3 ; D115.B16 310.69,368.3 ; D108.B10 403.86,41.45 ; D108.B10 403.86,39.83 ; D108.B10 403.05,40.64 ; D108.B10 404.67,40.64 ; 330.85,181.33 SITE4.G4 ; SITE4.G4 331.33,180.85 ; SITE4.G4 331.33,181.81 ; SITE4.G4 331.81,181.33 ; 249.85,187.93 SITE3.G9 ; SITE3.G9 250.81,187.93 ; SITE3.G9 250.33,187.45 ; SITE3.G9 250.33,188.41 ; D317.A2 163.27,86.36 ; D317.A2 161.85,86.36 ; D317.A2 162.56,85.65 ; D317.A2 162.56,87.07 ; D104.A8 325.12,36.37 ; D104.A8 325.12,34.75 ; D104.A8 324.31,35.56 ; D104.A8 325.93,35.56 ; 403.05,55.88 D107.A10 ; D107.A10 404.67,55.88 ; D107.A10 403.86,55.07 ; D107.A10 403.86,56.69 ; D302.B12 335.99,71.12 ; D302.B12 335.28,70.41 ; D302.B12 335.28,71.83 ; D302.B12 334.57,71.12 ; 382.73,40.64 D108.B2 ; D108.B2 384.35,40.64 ; D108.B2 383.54,41.45 ; D108.B2 383.54,39.83 ; D231.A9 181.15,375.92 ; D231.A9 180.34,375.11 ; D231.A9 180.34,376.73 ; D231.A9 179.53,375.92 ; D302.A15 343.61,63.5 ; D302.A15 342.19,63.5 ; D302.A15 342.9,64.21 ; D302.A15 342.9,62.79 ; 383.54,387.81 D112.B16 ; D112.B16 383.54,389.43 ; D112.B16 382.73,388.62 ; D112.B16 384.35,388.62 ; D110.A1 422.45,355.6 ; D110.A1 421.64,354.79 ; D110.A1 421.64,356.41 ; D110.A1 420.83,355.6 ; D106.B8 399.59,81.28 ; D106.B8 397.97,81.28 ; D106.B8 398.78,80.47 ; D106.B8 398.78,82.09 ; 200.66,375.11 D231.A1 ; D231.A1 199.85,375.92 ; D231.A1 200.66,376.73 ; D231.A1 201.47,375.92 ; 88.09,60.96 D131.B2 ; D131.B2 88.9,61.77 ; D131.B2 88.9,60.15 ; D131.B2 89.71,60.96 ; 259.08,83.11 D321.A11 ; D321.A11 259.08,84.53 ; D321.A11 259.79,83.82 ; D321.A11 258.37,83.82 ; 256.54,55.07 D123.A10 ; D123.A10 256.54,56.69 ; D123.A10 257.35,55.88 ; D123.A10 255.73,55.88 ; D125.A9 33.02,94.79 ; D125.A9 32.21,93.98 ; D125.A9 33.83,93.98 ; D125.A9 33.02,93.17 ; 393.7,387.81 D112.B12 ; D112.B12 393.7,389.43 ; D112.B12 394.51,388.62 ; D112.B12 392.89,388.62 ; 22.05,93.98 D125.A5 ; D125.A5 22.86,93.17 ; D125.A5 22.86,94.79 ; D125.A5 23.67,93.98 ; D112.A9 402.13,396.24 ; D112.A9 401.32,397.05 ; D112.A9 400.51,396.24 ; D112.A9 401.32,395.43 ; D106.B4 389.43,81.28 ; D106.B4 388.62,82.09 ; D106.B4 388.62,80.47 ; D106.B4 387.81,81.28 ; 339.55,393.7 D116.A4 ; D116.A4 340.36,394.51 ; D116.A4 340.36,392.89 ; D116.A4 341.17,393.7 ; D112.A16 384.35,393.7 ; D112.A16 382.73,393.7 ; D112.A16 383.54,392.89 ; D112.A16 383.54,394.51 ; D116.A6 335.28,394.51 ; D116.A6 336.09,393.7 ; D116.A6 334.47,393.7 ; D116.A6 335.28,392.89 ; D231.A8 182.88,374.19 ; D231.A8 182.88,372.57 ; D231.A8 183.69,373.38 ; D231.A8 182.07,373.38 ; 253.33,247.45 SITE1.G12 ; SITE1.G12 253.81,247.93 ; SITE1.G12 253.33,248.41 ; SITE1.G12 252.85,247.93 ; 182.07,342.9 CSDPS429.B8 ; CSDPS429.B8 182.88,342.09 ; CSDPS429.B8 182.88,343.71 ; CSDPS429.B8 183.69,342.9 ; 33.02,37.29 D128.B9 ; D128.B9 33.83,38.1 ; D128.B9 33.02,38.91 ; D128.B9 32.21,38.1 ; 174.45,73.66 D118.A7 ; D118.A7 175.26,74.47 ; D118.A7 176.07,73.66 ; D118.A7 175.26,72.85 ; CSDPS429.B16 162.56,343.71 ; CSDPS429.B16 161.75,342.9 ; CSDPS429.B16 163.37,342.9 ; CSDPS429.B16 162.56,342.09 ; D305.B12 408.94,92.15 ; D305.B12 408.94,90.73 ; D305.B12 408.23,91.44 ; D305.B12 409.65,91.44 ; 383.54,80.47 D106.B2 ; D106.B2 384.35,81.28 ; D106.B2 382.73,81.28 ; D106.B2 383.54,82.09 ; 266.7,342.09 CSDPS425.B4 ; CSDPS425.B4 266.7,343.71 ; CSDPS425.B4 267.51,342.9 ; CSDPS425.B4 265.89,342.9 ; D102.A4 315.77,76.2 ; D102.A4 314.15,76.2 ; D102.A4 314.96,75.39 ; D102.A4 314.96,77.01 ; D132.B5 96.52,38.91 ; D132.B5 96.52,37.29 ; D132.B5 95.71,38.1 ; D132.B5 97.33,38.1 ; D115.A11 322.58,376.73 ; D115.A11 322.58,375.11 ; D115.A11 323.39,375.92 ; D115.A11 321.77,375.92 ; 35.56,80.47 D126.B10 ; D126.B10 34.75,81.28 ; D126.B10 35.56,82.09 ; D126.B10 36.37,81.28 ; 415.75,350.52 D110.B3 ; D110.B3 417.37,350.52 ; D110.B3 416.56,351.33 ; D110.B3 416.56,349.71 ; 189.69,386.08 D431.A5 ; D431.A5 190.5,386.89 ; D431.A5 190.5,385.27 ; D431.A5 191.31,386.08 ; 411.48,77.93 D106.B13 ; D106.B13 411.48,79.55 ; D106.B13 412.29,78.74 ; D106.B13 410.67,78.74 ; 266.7,34.75 D124.A14 ; D124.A14 266.7,36.37 ; D124.A14 267.51,35.56 ; D124.A14 265.89,35.56 ; D126.A1 13.51,73.66 ; D126.A1 12.7,74.47 ; D126.A1 11.89,73.66 ; D126.A1 12.7,72.85 ; 179.53,386.08 D431.A9 ; D431.A9 180.34,386.89 ; D431.A9 181.15,386.08 ; D431.A9 180.34,385.27 ; D317.A8 177.8,87.07 ; D317.A8 177.09,86.36 ; D317.A8 178.51,86.36 ; D317.A8 177.8,85.65 ; 317.5,32.21 D104.A5 ; D104.A5 316.69,33.02 ; D104.A5 317.5,33.83 ; D104.A5 318.31,33.02 ; D127.A15 49.07,53.34 ; D127.A15 48.26,52.53 ; D127.A15 47.45,53.34 ; D127.A15 48.26,54.15 ; SITE4.G1 328.33,181.81 ; SITE4.G1 328.81,181.33 ; SITE4.G1 327.85,181.33 ; SITE4.G1 328.33,180.85 ; D305.A2 383.54,87.07 ; D305.A2 382.83,86.36 ; D305.A2 384.25,86.36 ; D305.A2 383.54,85.65 ; 326.85,396.24 D116.A9 ; D116.A9 327.66,397.05 ; D116.A9 328.47,396.24 ; D116.A9 327.66,395.43 ; 109.22,34.75 D132.A10 ; D132.A10 110.03,35.56 ; D132.A10 108.41,35.56 ; D132.A10 109.22,36.37 ; 335.28,352.25 D114.A6 ; D114.A6 335.28,353.87 ; D114.A6 336.09,353.06 ; D114.A6 334.47,353.06 ; D321.A10 256.54,87.07 ; D321.A10 256.54,85.65 ; D321.A10 257.25,86.36 ; D321.A10 255.83,86.36 ; 321.77,415.29 DPS2.A11 ; DPS2.A11 323.39,415.29 ; DPS2.A11 322.58,414.48 ; DPS2.A11 322.58,416.1 ; D129.B14 119.38,102.41 ; D129.B14 118.57,101.6 ; D129.B14 119.38,100.79 ; D129.B14 120.19,101.6 ; D129.A10 109.22,97.33 ; D129.A10 109.22,95.71 ; D129.A10 108.41,96.52 ; D129.A10 110.03,96.52 ; D302.B1 308.05,68.58 ; D302.B1 307.34,69.29 ; D302.B1 306.63,68.58 ; D302.B1 307.34,67.87 ; 330.2,80.47 D102.B10 ; D102.B10 329.39,81.28 ; D102.B10 331.01,81.28 ; D102.B10 330.2,82.09 ; 166.83,368.3 D231.B14 ; D231.B14 168.45,368.3 ; D231.B14 167.64,367.49 ; D231.B14 167.64,369.11 ; D111.B3 416.56,371.65 ; D111.B3 417.37,370.84 ; D111.B3 416.56,370.03 ; D111.B3 415.75,370.84 ; D104.B7 323.39,38.1 ; D104.B7 321.77,38.1 ; D104.B7 322.58,37.29 ; D104.B7 322.58,38.91 ; 113.49,81.28 D130.B12 ; D130.B12 114.3,82.09 ; D130.B12 115.11,81.28 ; D130.B12 114.3,80.47 ; D114.B9 328.47,350.52 ; D114.B9 327.66,351.33 ; D114.B9 326.85,350.52 ; D114.B9 327.66,349.71 ; 266.7,331.93 CSDPS225.B4 ; CSDPS225.B4 266.7,333.55 ; CSDPS225.B4 265.89,332.74 ; CSDPS225.B4 267.51,332.74 ; 88.09,55.88 D131.A2 ; D131.A2 89.71,55.88 ; D131.A2 88.9,56.69 ; D131.A2 88.9,55.07 ; D111.B15 386.08,371.65 ; D111.B15 386.89,370.84 ; D111.B15 386.08,370.03 ; D111.B15 385.27,370.84 ; 413.21,388.62 D112.B4 ; D112.B4 414.83,388.62 ; D112.B4 414.02,387.81 ; D112.B4 414.02,389.43 ; D115.B15 312.42,371.65 ; D115.B15 313.23,370.84 ; D115.B15 311.61,370.84 ; D115.B15 312.42,370.03 ; D109.A13 391.97,335.28 ; D109.A13 391.16,336.09 ; D109.A13 390.35,335.28 ; D109.A13 391.16,334.47 ; 324.31,373.38 D115.A10 ; D115.A10 325.93,373.38 ; D115.A10 325.12,374.19 ; D115.A10 325.12,372.57 ; D114.A3 342.9,356.41 ; D114.A3 342.9,354.79 ; D114.A3 342.09,355.6 ; D114.A3 343.71,355.6 ; 320.04,34.75 D104.A6 ; D104.A6 320.85,35.56 ; D104.A6 320.04,36.37 ; D104.A6 319.23,35.56 ; D130.A7 102.41,73.66 ; D130.A7 101.6,72.85 ; D130.A7 101.6,74.47 ; D130.A7 100.79,73.66 ; 340.36,372.57 D115.A4 ; D115.A4 339.55,373.38 ; D115.A4 341.17,373.38 ; D115.A4 340.36,374.19 ; CSDPS425.C13 243.84,341.17 ; CSDPS425.C13 243.84,339.55 ; CSDPS425.C13 244.65,340.36 ; CSDPS425.C13 243.03,340.36 ; D120.B13 191.31,38.1 ; D120.B13 189.69,38.1 ; D120.B13 190.5,38.91 ; D120.B13 190.5,37.29 ; 93.17,76.2 D130.A4 ; D130.A4 93.98,77.01 ; D130.A4 94.79,76.2 ; D130.A4 93.98,75.39 ; U1.4 97.04,206.48 ; U1.4 97.04,204.6 ; U1.4 96.1,205.54 ; U1.4 97.98,205.54 ; 269.24,13.16 DPS3.A15 ; DPS3.A15 270.05,13.97 ; DPS3.A15 269.24,14.78 ; DPS3.A15 268.43,13.97 ; 330.85,241.33 SITE2.G4 ; SITE2.G4 331.33,240.85 ; SITE2.G4 331.33,241.81 ; SITE2.G4 331.81,241.33 ; 268.53,88.9 D321.B15 ; D321.B15 269.95,88.9 ; D321.B15 269.24,89.61 ; D321.B15 269.24,88.19 ; 398.78,70.41 D306.B8 ; D306.B8 398.78,71.83 ; D306.B8 399.49,71.12 ; D306.B8 398.07,71.12 ; 332.74,77.93 D102.B11 ; D102.B11 332.74,79.55 ; D102.B11 333.55,78.74 ; D102.B11 331.93,78.74 ; D109.A4 414.02,333.55 ; D109.A4 414.02,331.93 ; D109.A4 413.21,332.74 ; D109.A4 414.83,332.74 ; D107.B3 386.08,59.23 ; D107.B3 386.08,57.61 ; D107.B3 385.27,58.42 ; D107.B3 386.89,58.42 ; 184.61,370.84 D231.B7 ; D231.B7 186.23,370.84 ; D231.B7 185.42,371.65 ; D231.B7 185.42,370.03 ; 337.82,83.11 D301.A13 ; D301.A13 337.11,83.82 ; D301.A13 338.53,83.82 ; D301.A13 337.82,84.53 ; CSDPS225.B10 252.27,332.74 ; CSDPS225.B10 251.46,333.55 ; CSDPS225.B10 251.46,331.93 ; CSDPS225.B10 250.65,332.74 ; D123.A16 272.59,55.88 ; D123.A16 271.78,56.69 ; D123.A16 271.78,55.07 ; D123.A16 270.97,55.88 ; 337.82,52.53 D103.A13 ; D103.A13 338.63,53.34 ; D103.A13 337.01,53.34 ; D103.A13 337.82,54.15 ; 187.96,377.65 D431.B6 ; D431.B6 187.96,379.27 ; D431.B6 188.77,378.46 ; D431.B6 187.15,378.46 ; D102.B1 307.34,79.55 ; D102.B1 306.53,78.74 ; D102.B1 307.34,77.93 ; D102.B1 308.15,78.74 ; D103.A2 310.69,55.88 ; D103.A2 309.88,56.69 ; D103.A2 309.07,55.88 ; D103.A2 309.88,55.07 ; 182.88,331.93 CSDPS229.B8 ; CSDPS229.B8 182.07,332.74 ; CSDPS229.B8 182.88,333.55 ; CSDPS229.B8 183.69,332.74 ; 249.75,182.83 SITE3.G14 ; SITE3.G14 250.23,183.31 ; SITE3.G14 250.71,182.83 ; SITE3.G14 250.23,182.35 ; 314.96,326.85 D113.B14 ; D113.B14 314.15,327.66 ; D113.B14 315.77,327.66 ; D113.B14 314.96,328.47 ; D306.B3 386.79,68.58 ; D306.B3 386.08,69.29 ; D306.B3 386.08,67.87 ; D306.B3 385.37,68.58 ; 16.97,33.02 D128.A3 ; D128.A3 18.59,33.02 ; D128.A3 17.78,33.83 ; D128.A3 17.78,32.21 ; 307.34,83.11 D301.A1 ; D301.A1 308.05,83.82 ; D301.A1 307.34,84.53 ; D301.A1 306.63,83.82 ; D108.A13 411.48,33.83 ; D108.A13 411.48,32.21 ; D108.A13 410.67,33.02 ; D108.A13 412.29,33.02 ; 240.49,55.88 D123.A4 ; D123.A4 241.3,56.69 ; D123.A4 242.11,55.88 ; D123.A4 241.3,55.07 ; D302.B6 320.75,71.12 ; D302.B6 320.04,71.83 ; D302.B6 319.33,71.12 ; D302.B6 320.04,70.41 ; CSDPS229.B2 198.93,332.74 ; CSDPS229.B2 198.12,331.93 ; CSDPS229.B2 198.12,333.55 ; CSDPS229.B2 197.31,332.74 ; 199.85,370.84 D231.B1 ; D231.B1 200.66,370.03 ; D231.B1 200.66,371.65 ; D231.B1 201.47,370.84 ; D111.A1 422.45,375.92 ; D111.A1 420.83,375.92 ; D111.A1 421.64,376.73 ; D111.A1 421.64,375.11 ; 164.29,375.92 D231.A15 ; D231.A15 165.91,375.92 ; D231.A15 165.1,376.73 ; D231.A15 165.1,375.11 ; SITE1.G19 251.43,246.91 ; SITE1.G19 251.91,246.43 ; SITE1.G19 251.43,245.95 ; SITE1.G19 250.95,246.43 ; SITE2.G7 328.33,248.41 ; SITE2.G7 328.33,247.45 ; SITE2.G7 327.85,247.93 ; SITE2.G7 328.81,247.93 ; 182.07,76.2 D118.A10 ; D118.A10 183.69,76.2 ; D118.A10 182.88,75.39 ; D118.A10 182.88,77.01 ; 123.65,60.96 D131.B16 ; D131.B16 124.46,61.77 ; D131.B16 124.46,60.15 ; D131.B16 125.27,60.96 ; 255.83,66.04 D322.A10 ; D322.A10 257.25,66.04 ; D322.A10 256.54,65.33 ; D322.A10 256.54,66.75 ; 326.85,78.74 D102.B9 ; D102.B9 328.47,78.74 ; D102.B9 327.66,79.55 ; D102.B9 327.66,77.93 ; 187.96,60.15 D119.B12 ; D119.B12 188.77,60.96 ; D119.B12 187.15,60.96 ; D119.B12 187.96,61.77 ; 339.65,91.44 D301.B14 ; D301.B14 340.36,90.73 ; D301.B14 341.07,91.44 ; D301.B14 340.36,92.15 ; D431.A8 182.88,384.35 ; D431.A8 183.69,383.54 ; D431.A8 182.07,383.54 ; D431.A8 182.88,382.73 ; D318.B6 173.43,71.12 ; D318.B6 172.72,70.41 ; D318.B6 172.72,71.83 ; D318.B6 172.01,71.12 ; D125.A12 40.64,97.33 ; D125.A12 41.45,96.52 ; D125.A12 39.83,96.52 ; D125.A12 40.64,95.71 ; 309.07,373.38 D115.A16 ; D115.A16 310.69,373.38 ; D115.A16 309.88,374.19 ; D115.A16 309.88,372.57 ; 33.02,52.53 D127.A9 ; D127.A9 33.83,53.34 ; D127.A9 32.21,53.34 ; D127.A9 33.02,54.15 ; 106.68,37.29 D132.B9 ; D132.B9 105.87,38.1 ; D132.B9 106.68,38.91 ; D132.B9 107.49,38.1 ; D112.B11 397.05,391.16 ; D112.B11 396.24,390.35 ; D112.B11 395.43,391.16 ; D112.B11 396.24,391.97 ; 116.03,58.42 D131.B13 ; D131.B13 117.65,58.42 ; D131.B13 116.84,59.23 ; D131.B13 116.84,57.61 ; D111.A13 391.97,375.92 ; D111.A13 391.16,376.73 ; D111.A13 391.16,375.11 ; D111.A13 390.35,375.92 ; D321.A16 272.49,86.36 ; D321.A16 271.78,87.07 ; D321.A16 271.78,85.65 ; D321.A16 271.07,86.36 ; D116.B9 328.47,391.16 ; D116.B9 327.66,390.35 ; D116.B9 326.85,391.16 ; D116.B9 327.66,391.97 ; D305.B7 396.95,88.9 ; D305.B7 396.24,88.19 ; D305.B7 395.53,88.9 ; D305.B7 396.24,89.61 ; D231.A6 188.77,373.38 ; D231.A6 187.96,372.57 ; D231.A6 187.96,374.19 ; D231.A6 187.15,373.38 ; 408.94,80.47 D106.B12 ; D106.B12 409.75,81.28 ; D106.B12 408.13,81.28 ; D106.B12 408.94,82.09 ; 385.27,330.2 D109.B15 ; D109.B15 386.89,330.2 ; D109.B15 386.08,331.01 ; D109.B15 386.08,329.39 ; SITE1.G3 250.81,241.33 ; SITE1.G3 249.85,241.33 ; SITE1.G3 250.33,240.85 ; SITE1.G3 250.33,241.81 ; 337.82,88.19 D301.B13 ; D301.B13 338.53,88.9 ; D301.B13 337.11,88.9 ; D301.B13 337.82,89.61 ; 347.17,415.29 DPS2.A01 ; DPS2.A01 347.98,414.48 ; DPS2.A01 348.79,415.29 ; DPS2.A01 347.98,416.1 ; SITE3.G10 251.81,187.93 ; SITE3.G10 251.33,187.45 ; SITE3.G10 251.33,188.41 ; SITE3.G10 250.85,187.93 ; 321.77,355.6 D114.A11 ; D114.A11 322.58,356.41 ; D114.A11 322.58,354.79 ; D114.A11 323.39,355.6 ; D119.A4 168.45,55.88 ; D119.A4 167.64,55.07